# Altium PCB PCB5.PcbDoc (part 7 of 16)
Units mil, origin at the board's own origin, x right, y up, seen from the top; angles counter-clockwise.
Board outline 9210.27 x 4350.4 mil, 4 copper layers (Top Layer, Layer 1, Layer 2, Bottom Layer), stack 23.756 mil thick; 1550 components, 1731 nets, 5196 pads, 1890 vias.
Unrouted connection lines stored in the file: 2462.
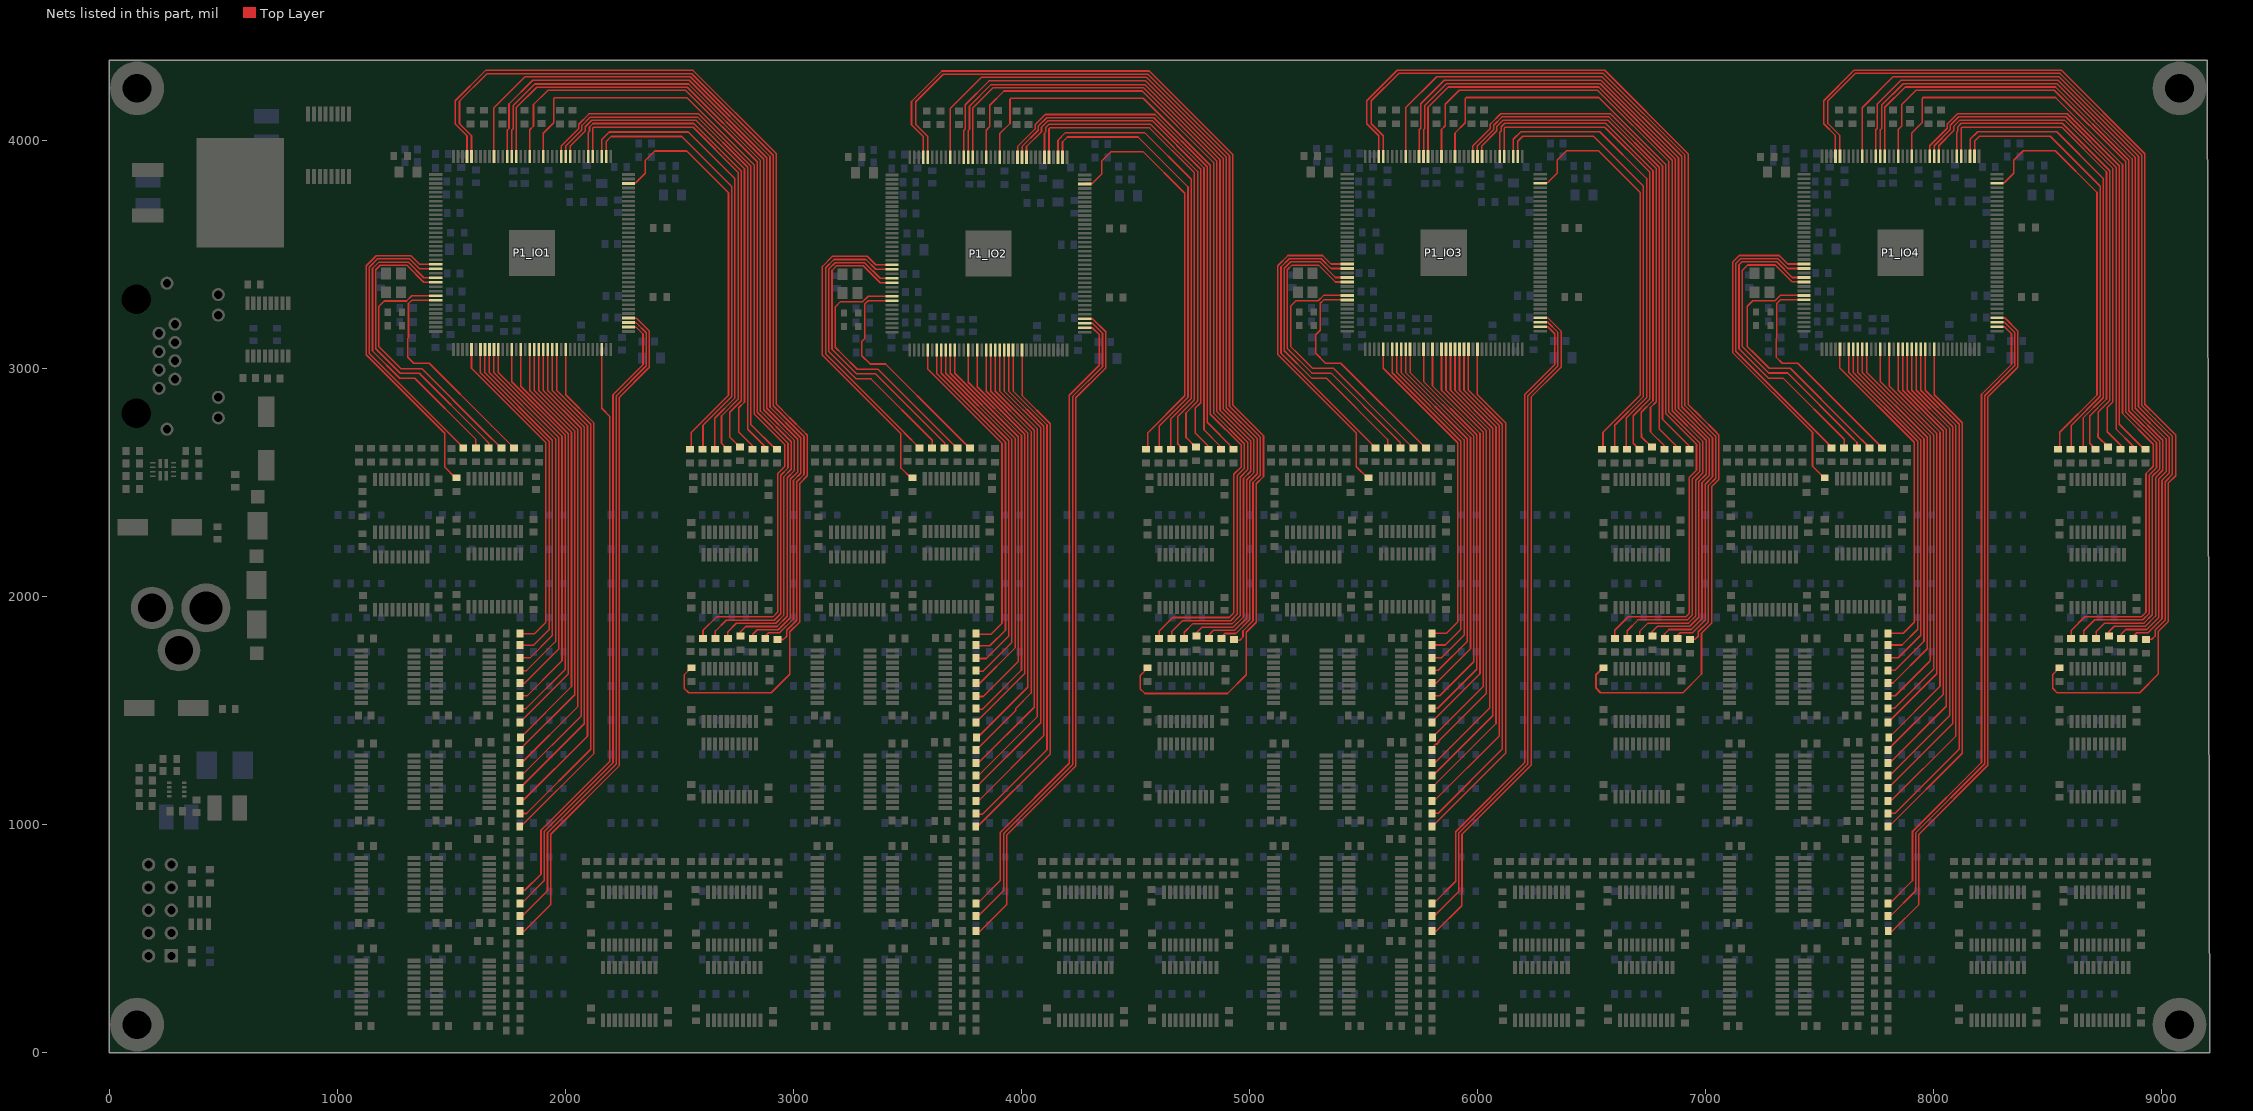
[diagram p9: the nets of this part, all layers, seen from the top]

## Via types
v1: diameter 24, hole 12, Top Layer to Bottom Layer, tented both sides, 1882 vias
v2: diameter 24, hole 12, Top Layer to Bottom Layer, 8 vias

## Nets (pads, with @x,y where several pads share a name; then routed paths per layer and width w, separated by ;. In a path a pad name is that pad's centre, name@x,y a point inside that pad or via, vN(x,y) a via of type N, cw(c..) or ccw(c..) an arc to the next point about the centre after c; other vN are vias at no path point) (continued)
GPIO_10_IO1: P1_IO1.29 R49_U_LED_BUFFER21.2 | length 993.4
  Top Layer w7: P1_IO1.29@1431.34,3299.42 1327.09,3299.42 1312.26,3284.59 1312.26,3133.62 1308.43,3129.79 1308.43,3111.15 1308.43,3049.37 1335.73,3022.06 1403,3022.06 1677.9,2747.16 R49_U_LED_BUFFER21.2@1774.56,2650.5
GPIO_10_IO2: P1_IO2.29 R49_U_LED_BUFFER22.2 | length 1000.9
  Top Layer w7: P1_IO2.29@3432.44,3296.82 3328.19,3296.82 3313.36,3281.99 3313.36,3131.02 3300.43,3118.09 3300.43,3055.86 3336.83,3019.46 3404.1,3019.46 3679,2744.56 R49_U_LED_BUFFER22.2@3775.66,2647.9
GPIO_10_IO3: P1_IO3.29 R49_U_LED_BUFFER23.2 | length 1006.5
  Top Layer w7: P1_IO3.29@5429.34,3300.27 5325.09,3300.27 5310.26,3285.44 5310.26,3166.8 5290.63,3147.17 5290.63,3066.02 5333.73,3022.91 5401,3022.91 R49_U_LED_BUFFER23.2@5772.56,2651.35
GPIO_10_IO4: P1_IO4.29 R49_U_LED_BUFFER24.2 | length 993.4
  Top Layer w7: P1_IO4.29@7432.34,3300.42 7328.09,3300.42 7313.26,3285.59 7313.26,3134.62 7309.43,3130.79 7309.43,3112.15 7309.43,3050.37 7336.73,3023.06 7404,3023.06 7678.9,2748.16 R49_U_LED_BUFFER24.2@7775.56,2651.5
GPIO_11_IO1: P1_IO1.28 R50_U_LED_BUFFER21.2 | length 1166
  Top Layer w7: P1_IO1.28@1431.34,3319.1 1326.98,3319.1 1303.41,3295.53 1205.92,3295.53 1182.35,3271.96 1182.35,3095.44 1214.6,3063.2 1278.43,2999.37 1370.14,2999.37 1642.34,2727.16 R50_U_LED_BUFFER21.2@1719.01,2650.5
GPIO_11_IO2: P1_IO2.28 R50_U_LED_BUFFER22.2 | length 1166
  Top Layer w7: P1_IO2.28@3432.44,3316.5 3328.08,3316.5 3304.51,3292.93 3207.02,3292.93 3183.45,3269.36 3183.45,3092.84 3215.7,3060.6 3279.53,2996.77 3371.24,2996.77 3643.44,2724.56 R50_U_LED_BUFFER22.2@3720.1,2647.9
GPIO_11_IO3: P1_IO3.28 R50_U_LED_BUFFER23.2 | length 1166
  Top Layer w7: P1_IO3.28@5429.34,3319.95 5324.98,3319.95 5301.41,3296.38 5203.92,3296.38 5180.35,3272.81 5180.35,3096.29 5212.6,3064.05 5276.43,3000.22 5368.14,3000.22 5640.34,2728.01 R50_U_LED_BUFFER23.2@5717,2651.35
GPIO_11_IO4: P1_IO4.28 R50_U_LED_BUFFER24.2 | length 1166
  Top Layer w7: P1_IO4.28@7432.34,3320.1 7327.98,3320.1 7304.41,3296.53 7206.92,3296.53 7183.35,3272.96 7183.35,3096.44 7215.6,3064.2 7279.43,3000.37 7371.14,3000.37 7643.34,2728.16 R50_U_LED_BUFFER24.2@7720,2651.5
GPIO_12_IO1: P1_IO1.25 R51_U_LED_BUFFER21.2 | length 1337.5
  Top Layer w7: P1_IO1.25@1431.34,3378.16 1379.45,3378.16 1305.31,3452.29 1188.35,3452.29 1168.35,3432.3 1168.35,3086.45 1276.17,2978.64 1359.16,2978.64 1640.63,2697.16 1663.45,2674.35 R51_U_LED_BUFFER21.2@1663.45,2650.5
GPIO_12_IO2: P1_IO2.25 R51_U_LED_BUFFER22.2 | length 1337.5
  Top Layer w7: P1_IO2.25@3432.44,3375.56 3380.55,3375.56 3306.41,3449.69 3189.45,3449.69 3169.45,3429.7 3169.45,3083.85 3277.27,2976.04 3360.26,2976.04 3641.73,2694.56 3664.55,2671.75 R51_U_LED_BUFFER22.2@3664.55,2647.9
GPIO_12_IO3: P1_IO3.25 R51_U_LED_BUFFER23.2 | length 1337.5
  Top Layer w7: P1_IO3.25@5429.34,3379.01 5377.45,3379.01 5303.31,3453.14 5186.35,3453.14 5166.35,3433.15 5166.35,3087.3 5274.17,2979.49 5357.16,2979.49 5638.63,2698.01 5661.45,2675.2 R51_U_LED_BUFFER23.2@5661.45,2651.35
GPIO_12_IO4: P1_IO4.25 R51_U_LED_BUFFER24.2 | length 1347.2
  Top Layer w7: P1_IO4.25@7432.34,3379.16 7380.45,3379.16 7306.31,3453.29 7184.86,3453.29 7160.72,3429.16 7160.72,3096.08 7277.17,2979.64 7360.16,2979.64 7641.63,2698.16 7664.45,2675.35 R51_U_LED_BUFFER24.2@7664.45,2651.5
GPIO_13_IO1: P1_IO1.24 R52_U_LED_BUFFER21.2 | length 1330.4
  Top Layer w7: P1_IO1.24@1431.34,3397.84 1379.56,3397.84 1311.11,3466.29 1182.55,3466.29 1154.35,3438.1 1154.35,3076.62 1274.36,2956.61 1339.15,2956.61 1607.89,2687.86 R52_U_LED_BUFFER21.2@1607.89,2650.5
GPIO_13_IO2: P1_IO2.24 R52_U_LED_BUFFER22.2 | length 1330.4
  Top Layer w7: P1_IO2.24@3432.44,3395.24 3380.66,3395.24 3312.21,3463.69 3183.65,3463.69 3155.45,3435.5 3155.45,3074.02 3275.46,2954.01 3340.25,2954.01 3608.99,2685.26 R52_U_LED_BUFFER22.2@3608.99,2647.9
GPIO_13_IO3: P1_IO3.24 R52_U_LED_BUFFER23.2 | length 1330.4
  Top Layer w7: P1_IO3.24@5429.34,3398.69 5377.56,3398.69 5309.11,3467.14 5180.55,3467.14 5152.35,3438.95 5152.35,3077.47 5272.36,2957.46 5337.15,2957.46 5605.89,2688.71 R52_U_LED_BUFFER23.2@5605.89,2651.35
GPIO_13_IO4: P1_IO4.24 R52_U_LED_BUFFER24.2 | length 1351.6
  Top Layer w7: P1_IO4.24@7432.34,3398.84 7380.56,3398.84 7312.11,3467.29 7159.55,3467.29 7146.72,3454.46 7146.72,3086.25 7275.36,2957.61 7340.15,2957.61 7608.89,2688.86 R52_U_LED_BUFFER24.2@7608.89,2651.5
GPIO_14_IO1: P1_IO1.22 R53_U_LED_BUFFER21.2 | length 1288
  Top Layer w7: P1_IO1.22@1431.34,3437.21 1359.99,3437.21 1316.91,3480.29 1176.75,3480.29 1140.35,3443.9 1140.35,3065.73 1484.63,2721.46 1484.63,2720.88 1552.34,2653.17 R53_U_LED_BUFFER21.2@1552.34,2650.5
GPIO_14_IO2: P1_IO2.22 R53_U_LED_BUFFER22.2 | length 1288
  Top Layer w7: P1_IO2.22@3432.44,3434.61 3361.09,3434.61 3318.01,3477.69 3177.85,3477.69 3141.45,3441.3 3141.45,3063.13 3485.73,2718.86 3485.73,2718.28 3553.44,2650.57 R53_U_LED_BUFFER22.2@3553.44,2647.9
GPIO_14_IO3: P1_IO3.22 R53_U_LED_BUFFER23.2 | length 1288
  Top Layer w7: P1_IO3.22@5429.34,3438.06 5357.99,3438.06 5314.91,3481.14 5174.75,3481.14 5138.35,3444.75 5138.35,3066.58 5482.63,2722.31 5482.63,2721.73 5550.34,2654.02 R53_U_LED_BUFFER23.2@5550.34,2651.35
GPIO_14_IO4: P1_IO4.22 R53_U_LED_BUFFER24.2 | length 1309.2
  Top Layer w7: P1_IO4.22@7432.34,3438.21 7360.99,3438.21 7317.91,3481.29 7153.76,3481.29 7132.72,3460.26 7132.72,3075.36 7485.63,2722.46 7485.63,2721.88 7553.34,2654.17 R53_U_LED_BUFFER24.2@7553.34,2651.5
GPIO_15_IO1: P1_IO1.21 R54_U_LED_BUFFER21.2 | length 1435.7
  Top Layer w7: P1_IO1.21@1431.34,3456.9 1360.11,3456.9 1322.71,3494.29 1170.95,3494.29 1126.35,3449.7 1126.35,3059.93 1470.63,2715.66 1470.63,2567.16 1517.29,2520.5 R54_U_LED_BUFFER21.2@1522.87,2520.5
GPIO_15_IO2: P1_IO2.21 R54_U_LED_BUFFER22.2 | length 1434.3
  Top Layer w7: P1_IO2.21@3432.44,3454.3 3361.21,3454.3 3323.81,3491.69 3172.05,3491.69 3127.45,3447.1 3127.45,3057.33 3471.73,2713.06 3471.73,2563.11 3514.33,2520.5 R54_U_LED_BUFFER22.2@3522.87,2520.5
GPIO_15_IO3: P1_IO3.21 R54_U_LED_BUFFER23.2 | length 1507.2
  Top Layer w7: P1_IO3.21@5429.34,3457.75 5358.11,3457.75 5320.71,3495.14 5168.95,3495.14 5124.35,3450.55 5124.35,3060.78 5468.63,2716.51 5468.63,2568.01 5515.29,2521.35 R54_U_LED_BUFFER23.2@5520.87,2521.35 ; 5470.63,2567.16 5517.29,2520.5 R54_U_LED_BUFFER23.2@5522.87,2520.5
GPIO_15_IO4: P1_IO4.21 R54_U_LED_BUFFER24.2 | length 1456.9
  Top Layer w7: P1_IO4.21@7432.34,3457.9 7361.11,3457.9 7323.71,3495.29 7147.96,3495.29 7118.72,3466.06 7118.72,3069.56 7468.8,2719.49 ; 7468.8,2719.49 7469.31,2718.97 7469.31,2570.49 7518.29,2521.5 R54_U_LED_BUFFER24.2@7523.87,2521.5
GPIO_16_IO1: P1_IO1.120 R47_U_LED_BUFFER31.2 | length 2326.8
  Top Layer w7: P1_IO1.120@1982.05,3928.87 1982.05,3975.74 2058.83,4052.52 2058.83,4071.24 2103.64,4116.05 2585.02,4116.05 2813.58,3887.5 2813.58,2754.22 R47_U_LED_BUFFER31.2@2920.63,2647.16
GPIO_16_IO2: P1_IO2.120 R47_U_LED_BUFFER32.2 | length 2328.7
  Top Layer w7: P1_IO2.120@3983.15,3926.27 3983.15,3973.14 4059.93,4049.92 4059.93,4068.64 4104.74,4113.45 4586.12,4113.45 4814.68,3884.9 4814.68,2763.69 4929.2,2649.17 R47_U_LED_BUFFER32.2@4929.2,2645.79
GPIO_16_IO3: P1_IO3.120 R47_U_LED_BUFFER33.2 | length 2333.4
  Top Layer w7: P1_IO3.120@5980.05,3929.72 5980.05,3976.59 6056.83,4053.37 6056.83,4072.09 6101.64,4116.9 6583.02,4116.9 6811.58,3888.35 6811.58,2777.08 6929.2,2659.46 R47_U_LED_BUFFER33.2@6929.2,2645.79
GPIO_16_IO4: P1_IO4.120 R47_U_LED_BUFFER34.2 | length 2326.8
  Top Layer w7: P1_IO4.120@7983.05,3929.87 7983.05,3976.74 8059.83,4053.52 8059.83,4072.24 8104.64,4117.05 8586.02,4117.05 8814.58,3888.5 8814.58,2755.22 R47_U_LED_BUFFER34.2@8921.63,2648.16
GPIO_17_IO1: P1_IO1.119 R48_U_LED_BUFFER31.2 | length 2266.2
  Top Layer w7: P1_IO1.119@2001.74,3928.87 2001.74,3975.62 2072.83,4046.72 2072.83,4065.45 2109.44,4102.05 2579.22,4102.05 2799.58,3881.7 2799.58,2733.02 2874.49,2658.11 R48_U_LED_BUFFER31.2@2874.49,2645.79
GPIO_17_IO2: P1_IO2.119 R48_U_LED_BUFFER32.2 | length 2278.5
  Top Layer w7: P1_IO2.119@4002.84,3926.27 4002.84,3973.02 4073.93,4044.12 4073.93,4062.85 4110.54,4099.45 4580.32,4099.45 4800.68,3879.1 4800.68,2730.42 4875.59,2655.51 R48_U_LED_BUFFER32.2@4875.59,2643.19 ; R48_U_LED_BUFFER32.2@4874.49,2645.79 R48_U_LED_BUFFER32.2@4874.49,2658.11
GPIO_17_IO3: P1_IO3.119 R48_U_LED_BUFFER33.2 | length 2278.5
  Top Layer w7: P1_IO3.119@5999.74,3929.72 5999.74,3976.47 6070.83,4047.57 6070.83,4066.3 6107.44,4102.9 6577.22,4102.9 6797.58,3882.55 6797.58,2733.87 6872.49,2658.96 R48_U_LED_BUFFER33.2@6872.49,2646.64 ; R48_U_LED_BUFFER33.2@6874.49,2645.79 R48_U_LED_BUFFER33.2@6874.49,2658.11
GPIO_17_IO4: P1_IO4.119 R48_U_LED_BUFFER34.2 | length 2278.5
  Top Layer w7: P1_IO4.119@8002.74,3929.87 8002.74,3976.62 8073.83,4047.72 8073.83,4066.45 8110.44,4103.05 8580.22,4103.05 8800.58,3882.7 8800.58,2734.02 8875.49,2659.11 R48_U_LED_BUFFER34.2@8875.49,2646.79 ; R48_U_LED_BUFFER34.2@8874.49,2645.79 R48_U_LED_BUFFER34.2@8874.49,2658.11
GPIO_18_IO1: P1_IO1.118 R49_U_LED_BUFFER31.2 | length 2208.5
  Top Layer w7: P1_IO1.118@2021.42,3928.87 2021.42,3975.51 2086.83,4040.92 2086.83,4059.65 2115.24,4088.05 2573.42,4088.05 2785.58,3875.9 2785.58,3871.81 2785.58,2852.45 2760.63,2827.5 2760.63,2720.67 R49_U_LED_BUFFER31.2@2821.92,2659.38
GPIO_18_IO2: P1_IO2.118 R49_U_LED_BUFFER32.2 | length 2208.5
  Top Layer w7: P1_IO2.118@4022.52,3926.27 4022.52,3972.91 4087.93,4038.32 4087.93,4057.05 4116.34,4085.45 4574.52,4085.45 4786.68,3873.3 4786.68,3869.21 4786.68,2849.85 4761.73,2824.9 4761.73,2718.07 R49_U_LED_BUFFER32.2@4823.02,2656.78
GPIO_18_IO3: P1_IO3.118 R49_U_LED_BUFFER33.2 | length 2208.5
  Top Layer w7: P1_IO3.118@6019.42,3929.72 6019.42,3976.36 6084.83,4041.77 6084.83,4060.5 6113.24,4088.9 6571.42,4088.9 6783.58,3876.75 6783.58,3872.66 6783.58,2853.3 6758.63,2828.35 6758.63,2721.52 R49_U_LED_BUFFER33.2@6819.92,2660.23
GPIO_18_IO4: P1_IO4.118 R49_U_LED_BUFFER34.2 | length 2208.5
  Top Layer w7: P1_IO4.118@8022.42,3929.87 8022.42,3976.51 8087.83,4041.92 8087.83,4060.65 8116.24,4089.05 8574.42,4089.05 8786.58,3876.9 8786.58,3872.81 8786.58,2853.45 8761.63,2828.5 8761.63,2721.67 R49_U_LED_BUFFER34.2@8822.92,2660.38
GPIO_19_IO1: P1_IO1.114 R50_U_LED_BUFFER31.2 | length 2141.2
  Top Layer w7: P1_IO1.114@2100.16,3928.87 2100.16,4034.45 2105.85,4040.14 2105.85,4058.86 2121.04,4074.05 2563.54,4074.05 2771.58,3866.01 2771.58,2858.25 2720.63,2807.3 2720.63,2712.16 2720.63,2699.59 R50_U_LED_BUFFER31.2@2765.25,2654.97
GPIO_19_IO2: P1_IO2.114 R50_U_LED_BUFFER32.2 | length 2216.9
  Top Layer w7: P1_IO2.114@4101.26,3926.27 4101.26,4031.85 4106.95,4037.54 4106.95,4056.26 4122.14,4071.45 4564.64,4071.45 4772.68,3863.41 4772.68,2855.65 4721.73,2804.7 4721.73,2709.56 4721.73,2696.99 R50_U_LED_BUFFER32.2@4766.35,2652.37 ; 4720.63,2712.16 4720.63,2699.59 R50_U_LED_BUFFER32.2@4765.25,2654.97
GPIO_19_IO3: P1_IO3.114 R50_U_LED_BUFFER33.2 | length 2216.9
  Top Layer w7: P1_IO3.114@6098.16,3929.72 6098.16,4035.3 6103.85,4040.98 6103.85,4059.71 6119.04,4074.9 6561.54,4074.9 6769.58,3866.86 6769.58,2859.1 6718.63,2808.15 6718.63,2713.01 6718.63,2700.43 R50_U_LED_BUFFER33.2@6763.25,2655.82 ; 6720.63,2712.16 6720.63,2699.59 R50_U_LED_BUFFER33.2@6765.25,2654.97
GPIO_19_IO4: P1_IO4.114 R50_U_LED_BUFFER34.2 | length 2216.9
  Top Layer w7: P1_IO4.114@8101.16,3929.87 8101.16,4035.45 8106.85,4041.14 8106.85,4059.86 8122.04,4075.05 8564.54,4075.05 8772.58,3867.01 8772.58,2859.25 8721.63,2808.3 8721.63,2713.16 8721.63,2700.59 R50_U_LED_BUFFER34.2@8766.25,2655.97 ; 8720.63,2712.16 8720.63,2699.59 R50_U_LED_BUFFER34.2@8765.25,2654.97
GPIO_20_IO1: P1_IO1.113 R51_U_LED_BUFFER31.2 | length 2100.5
  Top Layer w7: P1_IO1.113@2119.85,3928.87 2119.85,4053.06 2123.95,4057.17 2560.63,4057.17 2757.58,3860.21 2757.58,2880.04 2757.58,2864.72 2684.63,2791.77 2684.63,2671.51 R51_U_LED_BUFFER31.2@2710.35,2645.79
GPIO_20_IO2: P1_IO2.113 R51_U_LED_BUFFER32.2 | length 2136.9
  Top Layer w7: P1_IO2.113@4120.95,3926.27 4120.95,4050.46 4125.05,4054.57 4561.73,4054.57 4758.68,3857.61 4758.68,2877.44 4758.68,2862.12 4685.73,2789.17 4685.73,2668.91 R51_U_LED_BUFFER32.2@4711.45,2643.19 ; 4684.63,2671.51 R51_U_LED_BUFFER32.2@4710.35,2645.79
GPIO_20_IO3: P1_IO3.113 R51_U_LED_BUFFER33.2 | length 2136.9
  Top Layer w7: P1_IO3.113@6117.85,3929.72 6117.85,4053.91 6121.95,4058.01 6558.63,4058.01 6755.58,3861.06 6755.58,2880.89 6755.58,2865.57 6682.63,2792.62 6682.63,2672.35 R51_U_LED_BUFFER33.2@6708.35,2646.64 ; 6684.63,2671.51 R51_U_LED_BUFFER33.2@6710.35,2645.79
GPIO_20_IO4: P1_IO4.113 R51_U_LED_BUFFER34.2 | length 2136.9
  Top Layer w7: P1_IO4.113@8120.85,3929.87 8120.85,4054.06 8124.95,4058.17 8561.63,4058.17 8758.58,3861.21 8758.58,2881.04 8758.58,2865.72 8685.63,2792.77 8685.63,2672.51 R51_U_LED_BUFFER34.2@8711.35,2646.79 ; 8684.63,2671.51 R51_U_LED_BUFFER34.2@8710.35,2645.79
GPIO_21_IO1: P1_IO1.111 R52_U_LED_BUFFER31.2 | length 1981.2
  Top Layer w7: P1_IO1.111@2159.22,3928.87 2159.22,4003.59 2192.48,4036.85 2538.78,4036.85 2743.58,3832.05 2743.58,2870.51 2654.63,2781.57 2654.63,2646.79 R52_U_LED_BUFFER31.2@2655.63,2645.79
GPIO_21_IO2: P1_IO2.111 R52_U_LED_BUFFER32.2 | length 1982.6
  Top Layer w7: P1_IO2.111@4160.32,3926.27 4160.32,4000.99 4193.58,4034.25 4539.88,4034.25 4744.68,3829.45 4744.68,2867.91 4655.73,2778.97 4655.73,2644.19 R52_U_LED_BUFFER32.2@4656.73,2643.19 ; R52_U_LED_BUFFER32.2@4654.63,2646.79 R52_U_LED_BUFFER32.2@4655.63,2645.79
GPIO_21_IO3: P1_IO3.111 R52_U_LED_BUFFER33.2 | length 1982.6
  Top Layer w7: P1_IO3.111@6157.22,3929.72 6157.22,4004.44 6190.48,4037.7 6536.78,4037.7 6741.58,3832.9 6741.58,2871.36 6652.63,2782.42 6652.63,2647.64 R52_U_LED_BUFFER33.2@6653.63,2646.64 ; R52_U_LED_BUFFER33.2@6654.63,2646.79 R52_U_LED_BUFFER33.2@6655.63,2645.79
GPIO_21_IO4: P1_IO4.111 R52_U_LED_BUFFER34.2 | length 1982.6
  Top Layer w7: P1_IO4.111@8160.22,3929.87 8160.22,4004.59 8193.48,4037.85 8539.78,4037.85 8744.58,3833.05 8744.58,2871.51 8655.63,2782.57 8655.63,2647.79 R52_U_LED_BUFFER34.2@8656.63,2646.79 ; R52_U_LED_BUFFER34.2@8654.63,2646.79 R52_U_LED_BUFFER34.2@8655.63,2645.79
GPIO_22_IO1: P1_IO1.110 R53_U_LED_BUFFER31.2 | length 1927.7
  Top Layer w7: P1_IO1.110@2178.9,3928.87 2178.9,3995.44 2200.63,4017.17 2510.43,4017.17 2729.58,3798.01 2729.58,2883.93 2729.58,2876.31 2603.52,2750.25 R53_U_LED_BUFFER31.2@2603.52,2639.51
GPIO_22_IO2: P1_IO2.110 R53_U_LED_BUFFER32.2 | length 1927.7
  Top Layer w7: P1_IO2.110@4180,3926.27 4180,3992.84 4201.73,4014.57 4511.53,4014.57 4730.68,3795.41 4730.68,2881.33 4730.68,2873.71 4604.62,2747.65 R53_U_LED_BUFFER32.2@4604.62,2636.91
GPIO_22_IO3: P1_IO3.110 R53_U_LED_BUFFER33.2 | length 1927.7
  Top Layer w7: P1_IO3.110@6176.9,3929.72 6176.9,3996.29 6198.63,4018.01 6508.43,4018.01 6727.58,3798.86 6727.58,2884.78 6727.58,2877.16 6601.52,2751.1 R53_U_LED_BUFFER33.2@6601.52,2640.36
GPIO_22_IO4: P1_IO4.110 R53_U_LED_BUFFER34.2 | length 1927.7
  Top Layer w7: P1_IO4.110@8179.9,3929.87 8179.9,3996.44 8201.63,4018.17 8511.43,4018.17 8730.58,3799.01 8730.58,2884.93 8730.58,2877.31 8604.52,2751.25 R53_U_LED_BUFFER34.2@8604.52,2640.51
GPIO_23_IO1: P1_IO1.106 R54_U_LED_BUFFER31.2 | length 1801.5
  Top Layer w7: P1_IO1.106@2276.85,3811.23 2279.26,3813.63 2309.36,3813.63 2351.01,3855.28 2351.01,3911.88 2392.65,3953.52 2532.56,3953.52 2715.58,3770.51 2715.58,2882.11 2552.63,2719.16 2552.63,2652.22 R54_U_LED_BUFFER31.2@2546.2,2645.79
GPIO_23_IO2: P1_IO2.106 R54_U_LED_BUFFER32.2 | length 1810.6
  Top Layer w7: P1_IO2.106@4277.95,3808.63 4280.36,3811.03 4310.46,3811.03 4352.11,3852.68 4352.11,3909.28 4393.75,3950.92 4533.66,3950.92 4716.68,3767.91 4716.68,2879.51 4553.73,2716.56 4553.73,2649.62 R54_U_LED_BUFFER32.2@4547.3,2643.19 ; R54_U_LED_BUFFER32.2@4546.2,2645.79 R54_U_LED_BUFFER32.2@4552.63,2652.22
GPIO_23_IO3: P1_IO3.106 R54_U_LED_BUFFER33.2 | length 1810.6
  Top Layer w7: P1_IO3.106@6274.85,3812.08 6277.26,3814.48 6307.36,3814.48 6349.01,3856.12 6349.01,3912.73 6390.65,3954.37 6530.56,3954.37 6713.58,3771.35 6713.58,2882.96 6550.63,2720.01 6550.63,2653.07 R54_U_LED_BUFFER33.2@6544.2,2646.64 ; R54_U_LED_BUFFER33.2@6546.2,2645.79 R54_U_LED_BUFFER33.2@6552.63,2652.22
GPIO_23_IO4: P1_IO4.106 R54_U_LED_BUFFER34.2 | length 1810.6
  Top Layer w7: P1_IO4.106@8277.85,3812.23 8280.26,3814.63 8310.36,3814.63 8352.01,3856.28 8352.01,3912.88 8393.65,3954.52 8533.56,3954.52 8716.58,3771.51 8716.58,2883.11 8553.63,2720.16 8553.63,2653.22 R54_U_LED_BUFFER34.2@8547.2,2646.79 ; R54_U_LED_BUFFER34.2@8546.2,2645.79 R54_U_LED_BUFFER34.2@8552.63,2652.22
GPIO_24_IO1: P1_IO1.52 R47_U_LED_BUFFER41.2 | length 1810.5
  Top Layer w7: R47_U_LED_BUFFER41.2@1800.63,1447.16 2013.2,1659.73 2013.2,2699.66 2013.2,2714.01 1804.89,2922.32 P1_IO1.52@1804.89,3083.35
GPIO_24_IO2: P1_IO2.52 R47_U_LED_BUFFER42.2 | length 1808.4
  Top Layer w7: R47_U_LED_BUFFER42.2@3800.63,1447.16 3800.63,1448.03 4014.3,1661.69 4014.3,2697.06 4014.3,2711.41 3805.99,2919.72 P1_IO2.52@3805.99,3080.75
GPIO_24_IO3: P1_IO3.52 R47_U_LED_BUFFER43.2 | length 1810.5
  Top Layer w7: R47_U_LED_BUFFER43.2@5798.63,1448.01 6011.2,1660.58 6011.2,2700.51 6011.2,2714.86 5802.89,2923.17 P1_IO3.52@5802.89,3084.2
GPIO_24_IO4: P1_IO4.52 R47_U_LED_BUFFER44.2 | length 1810.5
  Top Layer w7: R47_U_LED_BUFFER44.2@7801.63,1448.16 8014.2,1660.73 8014.2,2700.66 8014.2,2715.01 7805.89,2923.32 P1_IO4.52@7805.89,3084.35
GPIO_25_IO1: P1_IO1.50 R48_U_LED_BUFFER41.2 | length 1770.1
  Top Layer w7: P1_IO1.50@1765.51,3083.35 1765.51,2941.89 1999.2,2708.21 1999.2,2693.86 1999.2,1679.57 1827.9,1508.28 R48_U_LED_BUFFER41.2@1800.63,1508.28
GPIO_25_IO2: P1_IO2.50 R48_U_LED_BUFFER42.2 | length 1770.1
  Top Layer w7: P1_IO2.50@3766.61,3080.75 3766.61,2939.29 4000.3,2705.61 4000.3,2691.26 4000.3,1676.97 3829,1505.68 R48_U_LED_BUFFER42.2@3801.73,1505.68
GPIO_25_IO3: P1_IO3.50 R48_U_LED_BUFFER43.2 | length 1770.1
  Top Layer w7: P1_IO3.50@5763.51,3084.2 5763.51,2942.74 5997.2,2709.06 5997.2,2694.71 5997.2,1680.42 5825.9,1509.13 R48_U_LED_BUFFER43.2@5798.63,1509.13
GPIO_25_IO4: P1_IO4.50 R48_U_LED_BUFFER44.2 | length 1770.1
  Top Layer w7: P1_IO4.50@7766.51,3084.35 7766.51,2942.89 8000.2,2709.21 8000.2,2694.86 8000.2,1680.57 7828.9,1509.28 R48_U_LED_BUFFER44.2@7801.63,1509.28
GPIO_26_IO1: P1_IO1.47 R49_U_LED_BUFFER41.2 | length 1729.4
  Top Layer w7: P1_IO1.47@1706.46,3083.35 1706.46,2981.15 1985.2,2702.41 1985.2,2684.95 1985.2,1717.64 1977.58,1710.03 1964.4,1696.85 1831.39,1563.83 R49_U_LED_BUFFER41.2@1800.63,1563.83
GPIO_26_IO2: P1_IO2.47 R49_U_LED_BUFFER42.2 | length 1729.4
  Top Layer w7: P1_IO2.47@3707.56,3080.75 3707.56,2978.55 3986.3,2699.81 3986.3,2682.35 3986.3,1715.04 3978.68,1707.43 3965.5,1694.25 3832.49,1561.23 R49_U_LED_BUFFER42.2@3801.73,1561.23
GPIO_26_IO3: P1_IO3.47 R49_U_LED_BUFFER43.2 | length 1732.2
  Top Layer w7: P1_IO3.47@5704.46,3084.2 5704.46,2982 5983.2,2703.26 5983.2,2685.8 5983.2,1713.73 5834.15,1564.68 R49_U_LED_BUFFER43.2@5798.63,1564.68
GPIO_26_IO4: P1_IO4.47 R49_U_LED_BUFFER44.2 | length 1729.4
  Top Layer w7: P1_IO4.47@7707.46,3084.35 7707.46,2982.15 7986.2,2703.41 7986.2,2685.95 7986.2,1718.64 7978.58,1711.03 7965.4,1697.85 7832.39,1564.83 R49_U_LED_BUFFER44.2@7801.63,1564.83
GPIO_27_IO1: P1_IO1.46 R50_U_LED_BUFFER41.2 | length 1664.6
  Top Layer w7: P1_IO1.46@1686.77,3083.35 1686.77,2981.04 1971.2,2696.61 1971.2,2689.39 1971.2,1769.2 1821.38,1619.39 R50_U_LED_BUFFER41.2@1800.63,1619.39
GPIO_27_IO2: P1_IO2.46 R50_U_LED_BUFFER42.2 | length 1660.2
  Top Layer w7: P1_IO2.46@3687.87,3080.75 3687.87,2978.44 3972.3,2694.01 3972.3,2686.79 3972.3,1774.14 3814.95,1616.79 R50_U_LED_BUFFER42.2@3801.73,1616.79
GPIO_27_IO3: P1_IO3.46 R50_U_LED_BUFFER43.2 | length 1664.6
  Top Layer w7: P1_IO3.46@5684.77,3084.2 5684.77,2981.89 5969.2,2697.46 5969.2,2690.24 5969.2,1770.05 5819.38,1620.24 R50_U_LED_BUFFER43.2@5798.63,1620.24
GPIO_27_IO4: P1_IO4.46 R50_U_LED_BUFFER44.2 | length 1664.6
  Top Layer w7: P1_IO4.46@7687.77,3084.35 7687.77,2982.04 7972.2,2697.61 7972.2,2690.39 7972.2,1770.2 7822.38,1620.39 R50_U_LED_BUFFER44.2@7801.63,1620.39
GPIO_28_IO1: P1_IO1.45 R51_U_LED_BUFFER41.2 | length 1610.7
  Top Layer w7: P1_IO1.45@1667.09,3083.35 1667.09,2980.92 1957.2,2690.82 1957.2,1802.03 1830.11,1674.94 R51_U_LED_BUFFER41.2@1800.63,1674.94
GPIO_28_IO2: P1_IO2.45 R51_U_LED_BUFFER42.2 | length 1610.7
  Top Layer w7: P1_IO2.45@3668.19,3080.75 3668.19,2978.32 3958.3,2688.22 3958.3,1799.43 3831.21,1672.34 R51_U_LED_BUFFER42.2@3801.73,1672.34
GPIO_28_IO3: P1_IO3.45 R51_U_LED_BUFFER43.2 | length 1610.7
  Top Layer w7: P1_IO3.45@5665.09,3084.2 5665.09,2981.77 5955.2,2691.66 5955.2,1802.88 5828.11,1675.79 R51_U_LED_BUFFER43.2@5798.63,1675.79
GPIO_28_IO4: P1_IO4.45 R51_U_LED_BUFFER44.2 | length 1610.7
  Top Layer w7: P1_IO4.45@7668.09,3084.35 7668.09,2981.92 7958.2,2691.82 7958.2,1803.03 7831.11,1675.94 R51_U_LED_BUFFER44.2@7801.63,1675.94
GPIO_29_IO1: P1_IO1.44 R52_U_LED_BUFFER41.2 | length 1560.2
  Top Layer w7: P1_IO1.44@1647.4,3083.35 1647.4,3001.78 1647.4,2980.81 1943.2,2685.02 1943.2,1829.14 1844.55,1730.5 R52_U_LED_BUFFER41.2@1800.63,1730.5
GPIO_29_IO2: P1_IO2.44 R52_U_LED_BUFFER42.2 | length 1560.2
  Top Layer w7: P1_IO2.44@3648.5,3080.75 3648.5,2999.18 3648.5,2978.21 3944.3,2682.42 3944.3,1826.54 3845.65,1727.9 R52_U_LED_BUFFER42.2@3801.73,1727.9
GPIO_29_IO3: P1_IO3.44 R52_U_LED_BUFFER43.2 | length 1560.2
  Top Layer w7: P1_IO3.44@5645.4,3084.2 5645.4,3002.63 5645.4,2981.66 5941.2,2685.87 5941.2,1829.99 5842.55,1731.35 R52_U_LED_BUFFER43.2@5798.63,1731.35
GPIO_29_IO4: P1_IO4.44 R52_U_LED_BUFFER44.2 | length 1560.2
  Top Layer w7: P1_IO4.44@7648.4,3084.35 7648.4,3002.78 7648.4,2981.81 7944.2,2686.02 7944.2,1830.14 7845.55,1731.5 R52_U_LED_BUFFER44.2@7801.63,1731.5